# Altium PCB LightLink_V3.PcbDoc (part 1 of 4) (continued)
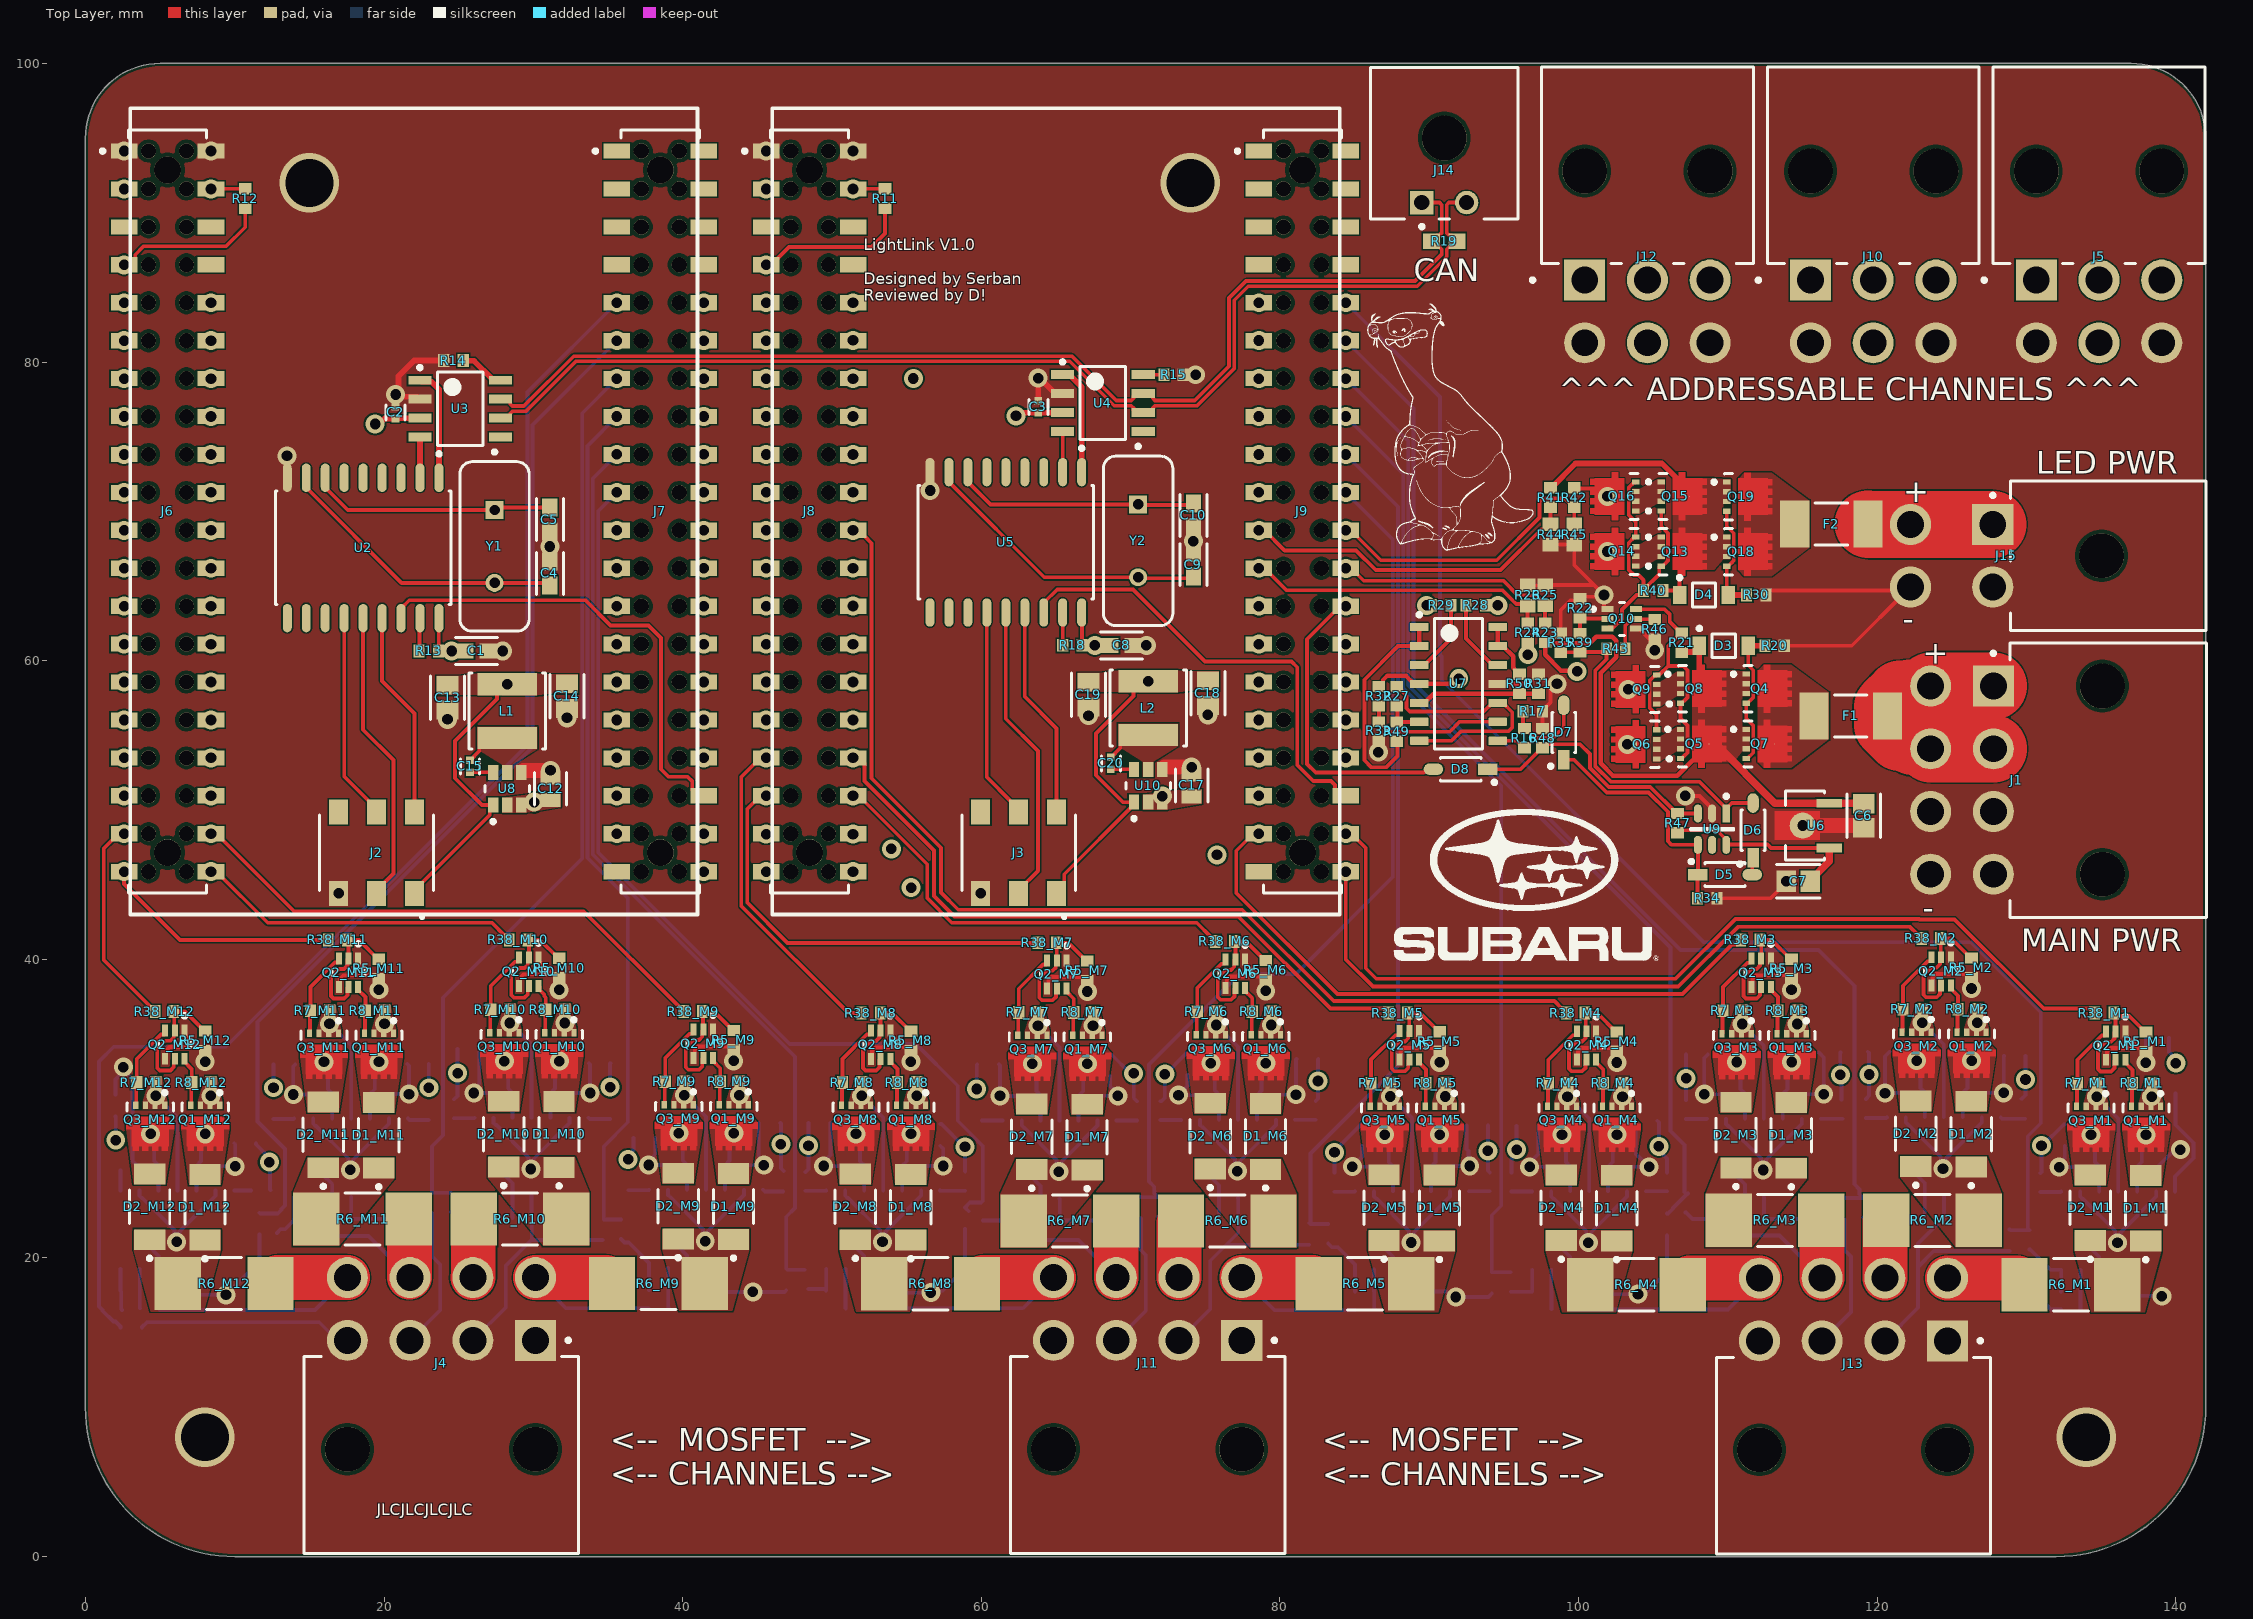
[diagram p0: Top Layer view]
## Components (designator, comment, footprint, x,y, rotation, side; value= is the part's Value field where it differs from the comment) (continued)
Q14 "SISH615ADN-T1-GE3" SISH615ADN-T1-GE3-Footprint-1 102.43,67.275 r90 top
Q15 "SISH615ADN-T1-GE3" SISH615ADN-T1-GE3-Footprint-1 106.93,71.038 r270 top
Q16 "SISH615ADN-T1-GE3" SISH615ADN-T1-GE3-Footprint-1 102.43,70.962 r90 top
Q18 "SISH615ADN-T1-GE3" SISH615ADN-T1-GE3-Footprint-1 111.325,67.338 r270 top
Q19 "SISH615ADN-T1-GE3" SISH615ADN-T1-GE3-Footprint-1 111.325,71.025 r270 top
R1_M1 "RC0603FR-071ML" RESC1608X55X25LL10T15 132.965,17.741 r180 bottom (schematic designator R1)
R1_M2 "RC0603FR-071ML" RESC1608X55X25LL10T15 121.281,22.703 r180 bottom (schematic designator R1)
R1_M3 "RC0603FR-071ML" RESC1608X55X25LL10T15 109.229,22.614 r180 bottom (schematic designator R1)
R1_M4 "RC0603FR-071ML" RESC1608X55X25LL10T15 97.532,17.75 r180 bottom (schematic designator R1)
R1_M5 "RC0603FR-071ML" RESC1608X55X25LL10T15 85.663,17.755 r180 bottom (schematic designator R1)
R1_M6 "RC0603FR-071ML" RESC1608X55X25LL10T15 74.018,22.543 r180 bottom (schematic designator R1)
R1_M7 "RC0603FR-071ML" RESC1608X55X25LL10T15 62.067,22.5 r180 bottom (schematic designator R1)
R1_M8 "RC0603FR-071ML" RESC1608X55X25LL10T15 50.256,17.801 r180 bottom (schematic designator R1)
R1_M9 "RC0603FR-071ML" RESC1608X55X25LL10T15 38.386,17.854 r180 bottom (schematic designator R1)
R1_M10 "RC0603FR-071ML" RESC1608X55X25LL10T15 26.702,22.68 r180 bottom (schematic designator R1)
R1_M11 "RC0603FR-071ML" RESC1608X55X25LL10T15 14.624,22.621 r180 bottom (schematic designator R1)
R1_M12 "RC0603FR-071ML" RESC1608X55X25LL10T15 2.991,17.805 r180 bottom (schematic designator R1)
R2_M1 "ERJ3EKF1002V" RESC1609X55X30LL15T15 132.965,16.547 r180 bottom (schematic designator R2)
R2_M2 "ERJ3EKF1002V" RESC1609X55X30LL15T15 121.281,21.627 r180 bottom (schematic designator R2)
R2_M3 "ERJ3EKF1002V" RESC1609X55X30LL15T15 110.486,21.5 r0 bottom (schematic designator R2)
R2_M4 "ERJ3EKF1002V" RESC1609X55X30LL15T15 98.802,16.547 r0 bottom (schematic designator R2)
R2_M5 "ERJ3EKF1002V" RESC1609X55X30LL15T15 85.689,16.5 r180 bottom (schematic designator R2)
R2_M6 "ERJ3EKF1002V" RESC1609X55X30LL15T15 73.933,21.336 r180 bottom (schematic designator R2)
R2_M7 "ERJ3EKF1002V" RESC1609X55X30LL15T15 63.392,21.209 r0 bottom (schematic designator R2)
R2_M8 "ERJ3EKF1002V" RESC1609X55X30LL15T15 51.526,16.627 r0 bottom (schematic designator R2)
R2_M9 "ERJ3EKF1002V" RESC1609X55X30LL15T15 38.373,16.637 r180 bottom (schematic designator R2)
R2_M10 "ERJ3EKF1002V" RESC1609X55X30LL15T15 26.689,21.336 r180 bottom (schematic designator R2)
R2_M11 "ERJ3EKF1002V" RESC1609X55X30LL15T15 15.894,21.463 r0 bottom (schematic designator R2)
R2_M12 "ERJ3EKF1002V" RESC1609X55X30LL15T15 4.337,16.51 r0 bottom (schematic designator R2)
R3_M1 "ERJ3EKF1002V" RESC1609X55X30LL15T15 134.565,21.018 r0 bottom (schematic designator R3)
R3_M2 "ERJ3EKF1002V" RESC1609X55X30LL15T15 122.881,25.979 r0 bottom (schematic designator R3)
R3_M3 "ERJ3EKF1002V" RESC1609X55X30LL15T15 110.83,25.891 r0 bottom (schematic designator R3)
R3_M4 "ERJ3EKF1002V" RESC1609X55X30LL15T15 99.132,21.026 r0 bottom (schematic designator R3)
R3_M5 "ERJ3EKF1002V" RESC1609X55X30LL15T15 87.264,21.032 r0 bottom (schematic designator R3)
R3_M6 "ERJ3EKF1002V" RESC1609X55X30LL15T15 75.618,25.819 r0 bottom (schematic designator R3)
R3_M7 "ERJ3EKF1002V" RESC1609X55X30LL15T15 63.667,25.776 r0 bottom (schematic designator R3)
R3_M8 "ERJ3EKF1002V" RESC1609X55X30LL15T15 51.856,21.077 r0 bottom (schematic designator R3)
R3_M9 "ERJ3EKF1002V" RESC1609X55X30LL15T15 39.986,21.13 r0 bottom (schematic designator R3)
R3_M10 "ERJ3EKF1002V" RESC1609X55X30LL15T15 28.302,25.956 r0 bottom (schematic designator R3)
R3_M11 "ERJ3EKF1002V" RESC1609X55X30LL15T15 16.224,25.898 r0 bottom (schematic designator R3)
R3_M12 "ERJ3EKF1002V" RESC1609X55X30LL15T15 4.591,21.082 r0 bottom (schematic designator R3)
R4_M1 "RC0603FR-071ML" RESC1608X55X25LL10T15 135.505,17.741 r180 bottom (schematic designator R4)
R4_M2 "RC0603FR-071ML" RESC1608X55X25LL10T15 123.821,22.703 r180 bottom (schematic designator R4)
R4_M3 "RC0603FR-071ML" RESC1608X55X25LL10T15 111.769,22.614 r180 bottom (schematic designator R4)
R4_M4 "RC0603FR-071ML" RESC1608X55X25LL10T15 100.072,17.75 r180 bottom (schematic designator R4)
R4_M5 "RC0603FR-071ML" RESC1608X55X25LL10T15 88.203,17.755 r180 bottom (schematic designator R4)
R4_M6 "RC0603FR-071ML" RESC1608X55X25LL10T15 76.558,22.543 r180 bottom (schematic designator R4)
R4_M7 "RC0603FR-071ML" RESC1608X55X25LL10T15 64.607,22.5 r180 bottom (schematic designator R4)
R4_M8 "RC0603FR-071ML" RESC1608X55X25LL10T15 52.796,17.801 r180 bottom (schematic designator R4)
R4_M9 "RC0603FR-071ML" RESC1608X55X25LL10T15 40.926,17.854 r180 bottom (schematic designator R4)
R4_M10 "RC0603FR-071ML" RESC1608X55X25LL10T15 29.242,22.68 r180 bottom (schematic designator R4)
R4_M11 "RC0603FR-071ML" RESC1608X55X25LL10T15 17.164,22.621 r180 bottom (schematic designator R4)
R4_M12 "RC0603FR-071ML" RESC1608X55X25LL10T15 5.531,17.805 r180 bottom (schematic designator R4)
R5_M1 "ERJ3EKF1002V" RESC1609X55X30LL15T15 137.994,34.48 r90 top (schematic designator R5)
R5_M2 "ERJ3EKF1002V" RESC1609X55X30LL15T15 126.31,39.441 r90 top (schematic designator R5)
R5_M3 "ERJ3EKF1002V" RESC1609X55X30LL15T15 114.259,39.353 r90 top (schematic designator R5)
R5_M4 "ERJ3EKF1002V" RESC1609X55X30LL15T15 102.561,34.488 r90 top (schematic designator R5)
R5_M5 "ERJ3EKF1002V" RESC1609X55X30LL15T15 90.693,34.494 r90 top (schematic designator R5)
R5_M6 "ERJ3EKF1002V" RESC1609X55X30LL15T15 79.047,39.281 r90 top (schematic designator R5)
R5_M7 "ERJ3EKF1002V" RESC1609X55X30LL15T15 67.096,39.238 r90 top (schematic designator R5)
R5_M8 "ERJ3EKF1002V" RESC1609X55X30LL15T15 55.285,34.539 r90 top (schematic designator R5)
R5_M9 "ERJ3EKF1002V" RESC1609X55X30LL15T15 43.415,34.592 r90 top (schematic designator R5)
R5_M10 "ERJ3EKF1002V" RESC1609X55X30LL15T15 31.731,39.418 r90 top (schematic designator R5)
R5_M11 "ERJ3EKF1002V" RESC1609X55X30LL15T15 19.653,39.36 r90 top (schematic designator R5)
R5_M12 "ERJ3EKF1002V" RESC1609X55X30LL15T15 8.02,34.544 r90 top (schematic designator R5)
R6_M1 "MCS3264R010FER" FP-MCS3264-MFG 132.965,18.198 r180 top (schematic designator R6)
R6_M2 "MCS3264R010FER" FP-MCS3264-MFG 123.694,22.516 r180 top (schematic designator R6)
R6_M3 "MCS3264R010FER" FP-MCS3264-MFG 113.153,22.516 r0 top (schematic designator R6)
R6_M4 "MCS3264R010FER" FP-MCS3264-MFG 103.882,18.198 r0 top (schematic designator R6)
R6_M5 "MCS3264R010FER" FP-MCS3264-MFG 85.689,18.278 r180 top (schematic designator R6)
R6_M6 "MCS3264R010FER" FP-MCS3264-MFG 76.473,22.479 r180 top (schematic designator R6)
R6_M7 "MCS3264R010FER" FP-MCS3264-MFG 65.932,22.479 r0 top (schematic designator R6)
R6_M8 "MCS3264R010FER" FP-MCS3264-MFG 56.606,18.278 r0 top (schematic designator R6)
R6_M9 "MCS3264R010FER" FP-MCS3264-MFG 38.373,18.288 r180 top (schematic designator R6)
R6_M10 "MCS3264R010FER" FP-MCS3264-MFG 29.102,22.606 r180 top (schematic designator R6)
R6_M11 "MCS3264R010FER" FP-MCS3264-MFG 18.561,22.606 r0 top (schematic designator R6)
R6_M12 "MCS3264R010FER" FP-MCS3264-MFG 9.29,18.288 r0 top (schematic designator R6)
R7_M1 "ERJ3EKF1002V" RESC1609X55X30LL15T15 134.057,31.686 r0 top (schematic designator R7)
R7_M2 "ERJ3EKF1002V" RESC1609X55X30LL15T15 122.373,36.647 r0 top (schematic designator R7)
R7_M3 "ERJ3EKF1002V" RESC1609X55X30LL15T15 110.322,36.559 r0 top (schematic designator R7)
R7_M4 "ERJ3EKF1002V" RESC1609X55X30LL15T15 98.624,31.694 r0 top (schematic designator R7)
R7_M5 "ERJ3EKF1002V" RESC1609X55X30LL15T15 86.756,31.7 r0 top (schematic designator R7)
R7_M6 "ERJ3EKF1002V" RESC1609X55X30LL15T15 75.11,36.487 r0 top (schematic designator R7)
R7_M7 "ERJ3EKF1002V" RESC1609X55X30LL15T15 63.159,36.444 r0 top (schematic designator R7)
R7_M8 "ERJ3EKF1002V" RESC1609X55X30LL15T15 51.348,31.745 r0 top (schematic designator R7)
R7_M9 "ERJ3EKF1002V" RESC1609X55X30LL15T15 39.478,31.798 r0 top (schematic designator R7)
R7_M10 "ERJ3EKF1002V" RESC1609X55X30LL15T15 27.794,36.624 r0 top (schematic designator R7)
R7_M11 "ERJ3EKF1002V" RESC1609X55X30LL15T15 15.716,36.566 r0 top (schematic designator R7)
R7_M12 "ERJ3EKF1002V" RESC1609X55X30LL15T15 4.083,31.75 r0 top (schematic designator R7)
R8_M1 "ERJ3EKF1002V" RESC1609X55X30LL15T15 137.74,31.686 r0 top (schematic designator R8)
R8_M2 "ERJ3EKF1002V" RESC1609X55X30LL15T15 126.056,36.647 r0 top (schematic designator R8)
R8_M3 "ERJ3EKF1002V" RESC1609X55X30LL15T15 114.005,36.559 r0 top (schematic designator R8)
R8_M4 "ERJ3EKF1002V" RESC1609X55X30LL15T15 102.307,31.694 r0 top (schematic designator R8)
R8_M5 "ERJ3EKF1002V" RESC1609X55X30LL15T15 90.439,31.7 r0 top (schematic designator R8)
R8_M6 "ERJ3EKF1002V" RESC1609X55X30LL15T15 78.793,36.487 r0 top (schematic designator R8)
R8_M7 "ERJ3EKF1002V" RESC1609X55X30LL15T15 66.842,36.444 r0 top (schematic designator R8)
R8_M8 "ERJ3EKF1002V" RESC1609X55X30LL15T15 55.031,31.745 r0 top (schematic designator R8)
R8_M9 "ERJ3EKF1002V" RESC1609X55X30LL15T15 43.161,31.798 r0 top (schematic designator R8)
R8_M10 "ERJ3EKF1002V" RESC1609X55X30LL15T15 31.477,36.624 r0 top (schematic designator R8)
R8_M11 "ERJ3EKF1002V" RESC1609X55X30LL15T15 19.399,36.566 r0 top (schematic designator R8)
R8_M12 "ERJ3EKF1002V" RESC1609X55X30LL15T15 7.766,31.75 r0 top (schematic designator R8)
R9_M1 "ERJ3EKF1002V" RESC1609X55X30LL15T15 130.933,25.066 r270 bottom (schematic designator R9)
R9_M2 "ERJ3EKF1002V" RESC1609X55X30LL15T15 119.249,30.028 r270 bottom (schematic designator R9)
R9_M3 "ERJ3EKF1002V" RESC1609X55X30LL15T15 107.197,29.939 r270 bottom (schematic designator R9)
R9_M4 "ERJ3EKF1002V" RESC1609X55X30LL15T15 95.5,25.075 r270 bottom (schematic designator R9)
R9_M5 "ERJ3EKF1002V" RESC1609X55X30LL15T15 83.631,25.081 r270 bottom (schematic designator R9)
R9_M6 "ERJ3EKF1002V" RESC1609X55X30LL15T15 71.986,29.868 r270 bottom (schematic designator R9)
R9_M7 "ERJ3EKF1002V" RESC1609X55X30LL15T15 59.69,29.82 r270 bottom (schematic designator R9)
R9_M8 "ERJ3EKF1002V" RESC1609X55X30LL15T15 48.224,25.126 r270 bottom (schematic designator R9)
R9_M9 "ERJ3EKF1002V" RESC1609X55X30LL15T15 36.354,25.179 r270 bottom (schematic designator R9)
R9_M10 "ERJ3EKF1002V" RESC1609X55X30LL15T15 24.67,30.005 r270 bottom (schematic designator R9)
R9_M11 "ERJ3EKF1002V" RESC1609X55X30LL15T15 12.592,29.947 r270 bottom (schematic designator R9)
R9_M12 "ERJ3EKF1002V" RESC1609X55X30LL15T15 2.35,26.5 r270 bottom (schematic designator R9)
R10_M1 "ERJ3EKF3901V" RESC1608X55X30ML15T15 132.563,28.219 r90 bottom (schematic designator R10)
R10_M2 "ERJ3EKF3901V" RESC1608X55X30ML15T15 120.091,33.807 r180 bottom (schematic designator R10)
R10_M3 "ERJ3EKF3901V" RESC1608X55X30ML15T15 107.925,33.63 r180 bottom (schematic designator R10)
R10_M4 "ERJ3EKF3901V" RESC1608X55X30ML15T15 96.571,28.854 r180 bottom (schematic designator R10)
R10_M5 "ERJ3EKF3901V" RESC1608X55X30ML15T15 85.496,28.219 r90 bottom (schematic designator R10)
R10_M6 "ERJ3EKF3901V" RESC1608X55X30ML15T15 73.812,32.995 r90 bottom (schematic designator R10)
R10_M7 "ERJ3EKF3901V" RESC1608X55X30ML15T15 60.452,32.969 r180 bottom (schematic designator R10)
R10_M8 "ERJ3EKF3901V" RESC1608X55X30ML15T15 49.174,29.058 r180 bottom (schematic designator R10)
R10_M9 "ERJ3EKF3901V" RESC1608X55X30ML15T15 37.44,28.042 r180 bottom (schematic designator R10)
R10_M10 "ERJ3EKF3901V" RESC1608X55X30ML15T15 25.654,33.985 r180 bottom (schematic designator R10)
R10_M11 "ERJ3EKF3901V" RESC1608X55X30ML15T15 13.335,32.969 r180 bottom (schematic designator R10)
R10_M12 "ERJ3EKF3901V" RESC1608X55X30ML15T15 2.007,30.201 r270 bottom (schematic designator R10)
R11 "ERJ3EKF1002V" RESC1609X55X30LL15T15 53.55,90.95 r90 top
R12 "ERJ3EKF1002V" RESC1609X55X30LL15T15 10.7,90.95 r90 top
R13 "ERJ3EKF1002V" RESC1609X55X30LL15T15 23,60.65 r180 top
R14 "ERJ3EKF1002V" RESC1609X55X30LL15T15 24.65,80.1 r0 top
R15 "ERJ3EKF1002V" RESC1609X55X30LL15T15 72.875,79.15 r180 top
R16 "ERJ3EKF1002V" RESC1609X55X30LL15T15 96.372,54.813 r270 top
R17 "ERJ3EKF1002V" RESC1609X55X30LL15T15 96.931,56.616 r180 top
R18 "ERJ3EKF1002V" RESC1609X55X30LL15T15 66.1,61.025 r180 top
R19 "ERJ-3EKF1200V" RESC1609X55X30ML15T15 91,88.1 r180 top
R20 "ERJ3EKF1002V" RESC1609X55X30LL15T15 113.125,61 r0 top
R21 "ERJ3EKF1002V" RESC1609X55X30LL15T15 106.9,61.2 r90 top
R22 "ERJ3EKF1002V" RESC1609X55X30LL15T15 100.1,63.5 r90 top
R23 "ERJ3EKF1002V" RESC1609X55X30LL15T15 97.759,61.87 r90 top
R24 "ERJ3EKF1002V" RESC1609X55X30LL15T15 96.584,61.867 r90 top
R25 "CRCW06032K70JNEA" RESC1609X50X30ML10T20 97.759,64.37 r270 top
R26 "CRCW06032K70JNEA" RESC1609X50X30ML10T20 96.584,64.367 r270 top
R27 "ERJ3EKF1002V" RESC1609X55X30LL15T15 87.819,57.611 r90 top
R28 "ERJ3EKF1002V" RESC1609X55X30LL15T15 93.112,63.703 r180 top
R29 "ERJ3EKF1002V" RESC1609X55X30LL15T15 90.801,63.703 r0 top
R30 "ERJ3EKF1002V" RESC1609X55X30LL15T15 111.9,64.4 r0 top
R31 "ERJ3EKF1002V" RESC1609X55X30LL15T15 97.312,58.445 r90 top
R32 "ERJ3EKF1002V" RESC1609X55X30LL15T15 86.625,57.611 r90 top
R33 "ERJ-3EKF1001V" RESC1608X55X30LL15T15 86.625,55.3 r90 top
R34 "ERJ3EKF1002V" RESC1609X55X30LL15T15 108.61,44.094 r0 top
R35 "ERJ3EKF1002V" RESC1609X55X30LL15T15 98.8,61.2 r90 top
R36_M1 "ERJ-3EKF1003V" RESC1608X55X30ML15T15 134.184,26.098 r0 bottom (schematic designator R36)
R36_M2 "ERJ-3EKF1003V" RESC1608X55X30ML15T15 122.5,31.059 r0 bottom (schematic designator R36)
R36_M3 "ERJ-3EKF1003V" RESC1608X55X30ML15T15 110.449,30.971 r0 bottom (schematic designator R36)
R36_M4 "ERJ-3EKF1003V" RESC1608X55X30ML15T15 98.751,26.106 r0 bottom (schematic designator R36)
R36_M5 "ERJ-3EKF1003V" RESC1608X55X30ML15T15 86.883,26.112 r0 bottom (schematic designator R36)
R36_M6 "ERJ-3EKF1003V" RESC1608X55X30ML15T15 75.237,30.899 r0 bottom (schematic designator R36)
R36_M7 "ERJ-3EKF1003V" RESC1608X55X30ML15T15 63.286,30.856 r0 bottom (schematic designator R36)
R36_M8 "ERJ-3EKF1003V" RESC1608X55X30ML15T15 51.475,26.157 r0 bottom (schematic designator R36)
R36_M9 "ERJ-3EKF1003V" RESC1608X55X30ML15T15 39.605,26.21 r0 bottom (schematic designator R36)
R36_M10 "ERJ-3EKF1003V" RESC1608X55X30ML15T15 27.921,31.036 r0 bottom (schematic designator R36)
R36_M11 "ERJ-3EKF1003V" RESC1608X55X30ML15T15 15.843,30.978 r0 bottom (schematic designator R36)
R36_M12 "ERJ-3EKF1003V" RESC1608X55X30ML15T15 4.21,26.162 r0 bottom (schematic designator R36)
R37_M1 "ERJ-3EKF1003V" RESC1608X55X30ML15T15 138.121,26.098 r180 bottom (schematic designator R37)
R37_M2 "ERJ-3EKF1003V" RESC1608X55X30ML15T15 126.437,31.059 r180 bottom (schematic designator R37)
R37_M3 "ERJ-3EKF1003V" RESC1608X55X30ML15T15 114.386,30.971 r180 bottom (schematic designator R37)
R37_M4 "ERJ-3EKF1003V" RESC1608X55X30ML15T15 102.688,26.106 r180 bottom (schematic designator R37)
R37_M5 "ERJ-3EKF1003V" RESC1608X55X30ML15T15 90.82,26.112 r180 bottom (schematic designator R37)
R37_M6 "ERJ-3EKF1003V" RESC1608X55X30ML15T15 79.174,30.899 r180 bottom (schematic designator R37)
R37_M7 "ERJ-3EKF1003V" RESC1608X55X30ML15T15 67.223,30.856 r180 bottom (schematic designator R37)
R37_M8 "ERJ-3EKF1003V" RESC1608X55X30ML15T15 55.412,26.157 r180 bottom (schematic designator R37)
R37_M9 "ERJ-3EKF1003V" RESC1608X55X30ML15T15 43.542,26.21 r180 bottom (schematic designator R37)
R37_M10 "ERJ-3EKF1003V" RESC1608X55X30ML15T15 31.858,31.036 r180 bottom (schematic designator R37)
R37_M11 "ERJ-3EKF1003V" RESC1608X55X30ML15T15 19.78,30.978 r180 bottom (schematic designator R37)
R37_M12 "ERJ-3EKF1003V" RESC1608X55X30ML15T15 8.147,26.162 r180 bottom (schematic designator R37)
R38_M1 "ERJ-3EKF1001V" RESC1608X55X30LL15T15 135.2,36.4 r0 top (schematic designator R38)
R38_M2 "ERJ-3EKF1001V" RESC1608X55X30LL15T15 123.6,41.4 r0 top (schematic designator R38)
R38_M3 "ERJ-3EKF1001V" RESC1608X55X30LL15T15 111.5,41.3 r0 top (schematic designator R38)
R38_M4 "ERJ-3EKF1001V" RESC1608X55X30LL15T15 99.8,36.4 r0 top (schematic designator R38)
R38_M5 "ERJ-3EKF1001V" RESC1608X55X30LL15T15 87.9,36.4 r0 top (schematic designator R38)
R38_M6 "ERJ-3EKF1001V" RESC1608X55X30LL15T15 76.3,41.2 r0 top (schematic designator R38)
R38_M7 "ERJ-3EKF1001V" RESC1608X55X30LL15T15 64.4,41.1 r0 top (schematic designator R38)
R38_M8 "ERJ-3EKF1001V" RESC1608X55X30LL15T15 52.6,36.4 r0 top (schematic designator R38)
R38_M9 "ERJ-3EKF1001V" RESC1608X55X30LL15T15 40.7,36.5 r0 top (schematic designator R38)
R38_M10 "ERJ-3EKF1001V" RESC1608X55X30LL15T15 29,41.3 r0 top (schematic designator R38)
R38_M11 "ERJ-3EKF1001V" RESC1608X55X30LL15T15 16.9,41.3 r0 top (schematic designator R38)
R38_M12 "ERJ-3EKF1001V" RESC1608X55X30LL15T15 5.3,36.5 r0 top (schematic designator R38)
R39 "ERJ-3EKF1001V" RESC1608X55X30LL15T15 100.1,61.2 r90 top
R40 "ERJ3EKF1002V" RESC1609X55X30LL15T15 105,64.7 r180 top
R41 "ERJ3EKF1002V" RESC1609X55X30LL15T15 98.114,70.925 r270 top
R42 "ERJ3EKF1002V" RESC1609X55X30LL15T15 99.714,70.925 r270 top
R43 "ERJ-3EKF1001V" RESC1608X55X30LL15T15 102.5,60.8 r0 top
R44 "CRCW06032K70JNEA" RESC1609X50X30ML10T20 98.114,68.45 r90 top
R45 "CRCW06032K70JNEA" RESC1609X50X30ML10T20 99.714,68.45 r90 top
R46 "ERJ3EKF1002V" RESC1609X55X30LL15T15 105.1,62.1 r270 top
R47 "ERJ3EKF1002V" RESC1609X55X30LL15T15 106.629,49.124 r90 top
R48 "ERJ3EKF1002V" RESC1609X55X30LL15T15 97.587,54.813 r270 top
R49 "ERJ3EKF1002V" RESC1609X55X30LL15T15 87.819,55.249 r90 top
R50 "ERJ3EKF1002V" RESC1609X55X30LL15T15 96.042,58.445 r270 top
R51_M1 "ERJ3EKF1002V" RESC1609X55X30LL15T15 140.005,31.547 r270 bottom (schematic designator R51)
R51_M2 "ERJ3EKF1002V" RESC1609X55X30LL15T15 129.896,29.972 r270 bottom (schematic designator R51)
R51_M3 "ERJ3EKF1002V" RESC1609X55X30LL15T15 117.678,29.972 r270 bottom (schematic designator R51)
R51_M4 "ERJ3EKF1002V" RESC1609X55X30LL15T15 106.02,25.197 r270 bottom (schematic designator R51)
R51_M5 "ERJ3EKF1002V" RESC1609X55X30LL15T15 94.031,25.019 r270 bottom (schematic designator R51)
R51_M6 "ERJ3EKF1002V" RESC1609X55X30LL15T15 82.525,29.845 r270 bottom (schematic designator R51)
R51_M7 "ERJ3EKF1002V" RESC1609X55X30LL15T15 70.434,29.845 r270 bottom (schematic designator R51)
R51_M8 "ERJ3EKF1002V" RESC1609X55X30LL15T15 58.928,25.146 r270 bottom (schematic designator R51)
R51_M9 "ERJ3EKF1002V" RESC1609X55X30LL15T15 46.736,25.095 r270 bottom (schematic designator R51)
R51_M10 "ERJ3EKF1002V" RESC1609X55X30LL15T15 35.154,29.947 r270 bottom (schematic designator R51)
R51_M11 "ERJ3EKF1002V" RESC1609X55X30LL15T15 22.987,29.896 r270 bottom (schematic designator R51)
R51_M12 "ERJ3EKF1002V" RESC1609X55X30LL15T15 11.76,24.536 r180 bottom (schematic designator R51)
R52_M1 "ERJ3EKF3901V" RESC1608X55X30ML15T15 138.811,34.722 r0 bottom (schematic designator R52)
R52_M2 "ERJ3EKF3901V" RESC1608X55X30ML15T15 129.21,33.528 r0 bottom (schematic designator R52)
R52_M3 "ERJ3EKF3901V" RESC1608X55X30ML15T15 116.815,33.757 r0 bottom (schematic designator R52)
R52_M4 "ERJ3EKF3901V" RESC1608X55X30ML15T15 104.546,29.185 r0 bottom (schematic designator R52)
R52_M5 "ERJ3EKF3901V" RESC1608X55X30ML15T15 93.218,28.88 r0 bottom (schematic designator R52)
R52_M6 "ERJ3EKF3901V" RESC1608X55X30ML15T15 81.839,33.325 r0 bottom (schematic designator R52)
R52_M7 "ERJ3EKF3901V" RESC1608X55X30ML15T15 68.631,32.918 r90 bottom (schematic designator R52)
R52_M8 "ERJ3EKF3901V" RESC1608X55X30ML15T15 57.252,28.245 r90 bottom (schematic designator R52)
R52_M9 "ERJ3EKF3901V" RESC1608X55X30ML15T15 45.822,29.032 r0 bottom (schematic designator R52)
R52_M10 "ERJ3EKF3901V" RESC1608X55X30ML15T15 34.442,33.045 r0 bottom (schematic designator R52)
R52_M11 "ERJ3EKF3901V" RESC1608X55X30ML15T15 22.276,32.995 r0 bottom (schematic designator R52)
R52_M12 "ERJ3EKF3901V" RESC1608X55X30ML15T15 10.693,27.686 r0 bottom (schematic designator R52)
R53_M1 "ERJ3EKF1002V" RESC1609X55X30LL15T15 130.2,21.209 r270 bottom (schematic designator R53)
R53_M2 "ERJ3EKF1002V" RESC1609X55X30LL15T15 119.075,23.368 r270 bottom (schematic designator R53)
R53_M3 "ERJ3EKF1002V" RESC1609X55X30LL15T15 107.34,23.673 r270 bottom (schematic designator R53)
R53_M4 "ERJ3EKF1002V" RESC1609X55X30LL15T15 95.453,18.39 r270 bottom (schematic designator R53)
R53_M5 "ERJ3EKF1002V" RESC1609X55X30LL15T15 83.236,21.615 r270 bottom (schematic designator R53)
R53_M6 "ERJ3EKF1002V" RESC1609X55X30LL15T15 71.857,23.419 r270 bottom (schematic designator R53)
R53_M7 "ERJ3EKF1002V" RESC1609X55X30LL15T15 60.096,23.165 r270 bottom (schematic designator R53)
R53_M8 "ERJ3EKF1002V" RESC1609X55X30LL15T15 48.158,18.567 r270 bottom (schematic designator R53)
R53_M9 "ERJ3EKF1002V" RESC1609X55X30LL15T15 35.865,21.925 r270 bottom (schematic designator R53)
R53_M10 "ERJ3EKF1002V" RESC1609X55X30LL15T15 24.486,23.724 r270 bottom (schematic designator R53)
R53_M11 "ERJ3EKF1002V" RESC1609X55X30LL15T15 12.827,22.327 r270 bottom (schematic designator R53)
R53_M12 "ERJ3EKF1002V" RESC1609X55X30LL15T15 1.803,16.51 r0 bottom (schematic designator R53)
R54_M1 "ERJ3EKF3901V" RESC1608X55X30ML15T15 128.854,21.184 r90 bottom (schematic designator R54)
R54_M2 "ERJ3EKF3901V" RESC1608X55X30ML15T15 117.831,23.317 r90 bottom (schematic designator R54)
R54_M3 "ERJ3EKF3901V" RESC1608X55X30ML15T15 105.918,22.25 r90 bottom (schematic designator R54)
R54_M4 "ERJ3EKF3901V" RESC1608X55X30ML15T15 94.183,18.339 r90 bottom (schematic designator R54)
R54_M5 "ERJ3EKF3901V" RESC1608X55X30ML15T15 81.966,21.615 r90 bottom (schematic designator R54)
R54_M6 "ERJ3EKF3901V" RESC1608X55X30ML15T15 70.688,23.368 r90 bottom (schematic designator R54)
R54_M7 "ERJ3EKF3901V" RESC1608X55X30ML15T15 58.903,22.657 r90 bottom (schematic designator R54)
R54_M8 "ERJ3EKF3901V" RESC1608X55X30ML15T15 46.939,18.567 r90 bottom (schematic designator R54)
R54_M9 "ERJ3EKF3901V" RESC1608X55X30ML15T15 34.646,21.925 r90 bottom (schematic designator R54)
R54_M10 "ERJ3EKF3901V" RESC1608X55X30ML15T15 23.216,23.698 r90 bottom (schematic designator R54)
R54_M11 "ERJ3EKF3901V" RESC1608X55X30ML15T15 11.659,22.301 r90 bottom (schematic designator R54)
R54_M12 "ERJ3EKF3901V" RESC1608X55X30ML15T15 3.073,15.342 r180 bottom (schematic designator R54)
U1_M1 "LM324D" D0014A_L 136.14,21.83 r270 bottom (schematic designator U1)
U1_M2 "LM324D" D0014A_L 124.456,26.792 r270 bottom (schematic designator U1)
U1_M3 "LM324D" D0014A_L 112.404,26.703 r270 bottom (schematic designator U1)
U1_M4 "LM324D" D0014A_L 100.707,21.839 r270 bottom (schematic designator U1)
U1_M5 "LM324D" D0014A_L 88.838,21.845 r270 bottom (schematic designator U1)
U1_M6 "LM324D" D0014A_L 77.193,26.632 r270 bottom (schematic designator U1)
U1_M7 "LM324D" D0014A_L 65.242,26.589 r270 bottom (schematic designator U1)
U1_M8 "LM324D" D0014A_L 53.431,21.89 r270 bottom (schematic designator U1)
U1_M9 "LM324D" D0014A_L 41.561,21.943 r270 bottom (schematic designator U1)
U1_M10 "LM324D" D0014A_L 29.877,26.769 r270 bottom (schematic designator U1)
U1_M11 "LM324D" D0014A_L 17.799,26.711 r270 bottom (schematic designator U1)
U1_M12 "LM324D" D0014A_L 6.166,21.895 r270 bottom (schematic designator U1)
U2 "MCP2515-I/SO" FP-C04-051-MFG 18.6,67.55 r270 top
U3 "MCP2551-I/SN" MCHP-SN8_V 25.1,76.875 r0 top
U4 "MCP2551-I/SN" MCHP-SN8_V 68.14,77.25 r0 top
U5 "MCP2515-I/SO" FP-C04-051-MFG 61.64,67.925 r270 top
U6 "AP7381-50Y-13" FP-SOT89-MFG 115.156,48.959 r90 top
U7 "LM324D" D0014A_L 91.955,58.445 r0 top
U8 "AP63205WU-7" FP-TSOT26-MFG 28.25,51.425 r90 top
U9 "TLV1805DBVR" FP-DBV0006A-IPC_C 108.941,48.717 r270 top
U10 "AP63205WU-7" FP-TSOT26-MFG 71.175,51.625 r90 top
Y1 "FOXSLF/160-20" FOX-FOXSLF160-20 27.4,67.65 r270 top
Y2 "FOXSLF/160-20" FOX-FOXSLF160-20 70.5,68.025 r270 top

## Footprints (in the part's own frame and the unit in brackets; to place one, negate y for a bottom-side part, rotate by r counter-clockwise, add the part's x,y. Pads: shape width x height; smd on the part's side, far side on the other; paste and mask are expansions set on the pad)
D0014A_L [mm] "SOIC, 14-Leads, Body 8.75x4mm, Pitch 1.27mm, IPC High Density"
  rrect18% 1.25x0.55 smd: 1(-2.625,3.81) 2(-2.625,2.54) 3(-2.625,1.27) 4(-2.625,0) 5(-2.625,-1.27) 6(-2.625,-2.54) 7(-2.625,-3.81) 8(2.625,-3.81) 9(2.625,-2.54) 10(2.625,-1.27) 11(2.625,0) 12(2.625,1.27) 13(2.625,2.54) 14(2.625,3.81)
  silkscreen extent -2.75,-4.38 1.6,4.76, body extent -3.02,-4.32 3.02,4.32, height 1.59
FOX-FOXSLF160-20 [mm] "THD, 2-Leads, Body 11.35x4.65mm"
  rect 1.2x1.2 hole 0.7: 1(-2.44,0)
  round 1.2 hole 0.7: 2(2.44,0)
  silkscreen extent -6.45,-2.32 5.68,2.32, body extent -5.67,-2.32 5.68,2.33, height 3.6
FP-39-30-1041-MFG [mil]
  rect 108.4x108.4 hole 71 paste-39370.1 mask+0: 1(82.5,297)
  round 108.4 hole 71 paste-39370.1 mask+0: 2(-82.5,297) 3(82.5,514) 4(-82.5,514)
  round 118 hole 118 unplated paste-39370.1 mask+0: ""(0,10)
  silkscreen extent -198,-265 198,302, body extent -201,-269 201,572, height 10
FP-0679L-MFG [mm]
  rect 1.96x3.15 smd paste+0 mask+0: 1(-2.455,0) 2(2.455,0)
  silkscreen extent -1.1,-1.4 1.1,1.4, body extent -3.53,-1.68 3.53,1.68, height 0.25
FP-0805-L_2_01_0_2-W_1_25-IPC_B [mm]
  rect 1.305x1.456 smd paste+0 mask+0: 1(-0.806,0) 2(0.806,0)
  silkscreen extent -1.46,-1.13 1.46,1.13, body extent -1.71,-0.98 1.71,0.98, height 0.25
FP-43650-0201-MFG [mm]
  rect 1.57x1.57 hole 1.02 paste-1000 mask+0: 1(1.5,3.97)
  round 1.57 hole 1.02 paste-1000 mask+0: 2(-1.5,3.97)
  round 3 hole 3 unplated paste-1000 mask+0: ""(0,-0.35)
  silkscreen extent -4.95,-5.07 4.95,5.7, body extent -5.05,-5.18 5.05,5.18, height 0.25
FP-45586-0005-MFG [mm]
  rect 2.75x2.75 hole 1.8 paste-1000 mask+0: 1(-6.3,-7.5)
  round 2.75 hole 1.8 paste-1000 mask+0: 2(-2.1,-7.5) 3(2.1,-7.5) 4(6.3,-7.5) 5(-6.3,-11.7) 6(-2.1,-11.7) 7(2.1,-11.7) 8(6.3,-11.7)
  round 3 hole 3 unplated paste-1000 mask+0: ""(-6.3,-0.2) ""(6.3,-0.2)
  silkscreen extent -9.19,-7.62 9.19,6.78, body extent -9.29,-13.18 9.29,6.88, height 0.25
FP-455580003-MFG [mm]
  rect 2.75x2.75 hole 1.8 paste-1000 mask+0: 1(-4.2,-7.5)
  round 2.75 hole 1.8 paste-1000 mask+0: 2(0,-7.5) 3(4.2,-7.5) 4(-4.2,-11.7) 5(0,-11.7) 6(4.2,-11.7)
  round 3 hole 3 unplated paste-1000 mask+0: ""(-4.2,-0.2) ""(4.2,-0.2)
  silkscreen extent -7.81,-7.62 7.09,6.78, body extent -7.19,-13.18 7.19,6.88, height 0.25
FP-C04-051-MFG [mm]
  rrect100% 1.9x0.6 smd paste+0 mask+0: 1(-4.7,5.08) 2(-4.7,3.81) 3(-4.7,2.54) 4(-4.7,1.27) 5(-4.7,0) 6(-4.7,-1.27) 7(-4.7,-2.54) 8(-4.7,-3.81) 9(-4.7,-5.08) 10(4.7,-5.08) 11(4.7,-3.81) 12(4.7,-2.54) 13(4.7,-1.27) 14(4.7,0) 15(4.7,1.27) 16(4.7,2.54) 17(4.7,3.81) 18(4.7,5.08)
  silkscreen extent -6.42,-5.87 3.8,5.87, body extent -5.75,-6.12 5.75,6.12, height 0.25
FP-C0402-BB-MFG [mm]
  rect 0.52x0.52 smd paste+0 mask+0: 1(-0.4,0) 2(0.4,0)
  silkscreen extent -0.5,-0.64 0.5,0.64, body extent -0.8,-0.4 0.8,0.4, height 0.25
FP-C0805C-DG-MFG [mm]
  rect 0.95x1.35 smd paste+0 mask+0: 1(-0.75,0) 2(0.75,0)
  silkscreen extent -1.11,-1.08 1.1,1.07, body extent -1.4,-0.85 1.4,0.85, height 0.25
FP-DBV0006A-IPC_C [mm]
  rect 1.205x0.53 smd paste+0 mask+0: 1(-1.05,0.95)
  rrect100% 1.205x0.53 smd paste+0 mask+0: 2(-1.05,0) 3(-1.05,-0.95) 4(1.05,-0.95) 5(1.05,0) 6(1.05,0.95)
  silkscreen extent -2.33,-1.45 0.05,1.45, body extent -1.75,-1.55 1.75,1.55, height 0.25
FP-GRM21B-0_2-e0_2_0_7-IPC_B [mm]
  rect 1.255x1.456 smd paste+0 mask+0: 1(-0.826,0) 2(0.826,0)
  silkscreen extent -1.45,-1.13 1.45,1.13, body extent -1.7,-0.98 1.7,0.98, height 0.25
FP-GRM188-0_1-e0_2_0_55-IPC_A [mm]
  rect 1.208x1.012 smd paste+0 mask+0: 1(-0.802,0) 2(0.802,0)
  silkscreen extent -1.41,-0.91 1.41,0.91, body extent -1.91,-1.01 1.91,1.01, height 0.25
FP-M20-7812045-MFG [mm]
  rect 1.02x1.78 smd paste+0 mask+0: 1(-24.13,-2.91) 2(-24.13,2.91) 3(-21.59,-2.91) 4(-21.59,2.91) 5(-19.05,-2.91) 6(-19.05,2.91) 7(-16.51,-2.91) 8(-16.51,2.91) 9(-13.97,-2.91) 10(-13.97,2.91) 11(-11.43,-2.91) 12(-11.43,2.91) 13(-8.89,-2.91) 14(-8.89,2.91) 15(-6.35,-2.91) 16(-6.35,2.91) 17(-3.81,-2.91) 18(-3.81,2.91) 19(-1.27,-2.91) 20(-1.27,2.91) 21(1.27,-2.91) 22(1.27,2.91) 23(3.81,-2.91) 24(3.81,2.91) 25(6.35,-2.91) 26(6.35,2.91) 27(8.89,-2.91) 28(8.89,2.91) 29(11.43,-2.91) 30(11.43,2.91) 31(13.97,-2.91) 32(13.97,2.91) 33(16.51,-2.91) 34(16.51,2.91) 35(19.05,-2.91) 36(19.05,2.91) 37(21.59,-2.91) 38(21.59,2.91) 39(24.13,-2.91) 40(24.13,2.91)
  round 1.02 hole 1.02 unplated paste-1000 mask+0: ""(-24.13,-1.27) ""(-24.13,1.27) ""(-21.59,-1.27) ""(-21.59,1.27) ""(-19.05,-1.27) ""(-19.05,1.27) ""(-16.51,-1.27) ""(-16.51,1.27) ""(-13.97,-1.27) ""(-13.97,1.27) ""(-11.43,-1.27) ""(-11.43,1.27) ""(-8.89,-1.27) ""(-8.89,1.27) ""(-6.35,-1.27) ""(-6.35,1.27) ""(-3.81,-1.27) ""(-3.81,1.27) ""(-1.27,1.27) ""(-1.27,-1.27) ""(1.27,1.27) ""(1.27,-1.27) ""(3.81,-1.27) ""(3.81,1.27) ""(6.35,-1.27) ""(6.35,1.27) ""(8.89,-1.27) ""(8.89,1.27) ""(11.43,-1.27) ""(11.43,1.27) ""(13.97,-1.27) ""(13.97,1.27) ""(16.51,-1.27) ""(16.51,1.27) ""(19.05,-1.27) ""(19.05,1.27) ""(21.59,-1.27) ""(21.59,1.27) ""(24.13,-1.27) ""(24.13,1.27)
  round 1.8 hole 1.8 unplated paste-1000 mask+0: ""(-22.86,0) ""(22.86,0)
  silkscreen extent -25.55,-4.47 25.55,2.62, body extent -25.65,-3.9 25.65,3.9, height 0.25
FP-MCS3264-MFG [mm]
  rect 3.1x3.57 smd paste+0 mask+0: 1(-3.1,0) 2(3.1,0)
  silkscreen extent -1.17,-1.75 1.17,1.75, body extent -4.75,-1.89 4.75,1.89, height 0.25
FP-NR5040-H_4_1-MFG [mm]
  rect 1.5x4 smd paste+0 mask+0: 1(-1.8,0) 2(1.8,0)
  silkscreen extent -2.55,-2.55 2.55,2.55, body extent -2.65,-2.65 2.65,2.65, height 0.25
FP-SOD128-MFG [mm]
  rect 1.4x2.1 smd paste-1000 mask+0: 1(-2.2,0) 2(2.2,0)
  silkscreen extent -3.57,-1.35 1.12,1.35, body extent -3.1,-1.7 3.1,1.7, height 0.25
FP-SOD-123-IPC_A [mm]
  rect 1.308x0.762 smd paste+0 mask+0: 1(-1.825,0)
  rrect100% 1.308x0.762 smd paste+0 mask+0: 2(1.825,0)
  silkscreen extent -2.39,-0.8 1.35,1.01, body extent -2.98,-1.3 2.98,1.3, height 0.25
FP-SOT89-MFG [mm]
  rect 0.58x1.73 smd paste+0 mask+0: 1(-1.5,-1.635) 3(1.5,-1.635)
  round 1.74 smd paste+0 mask+0: 2(0,0.146)
  Top Layer region: -0.38,-2.5 0.38,-2.5 0.38,-1 0.967,-1 0.967,2.03 -0.967,2.03 -0.967,-1 -0.38,-1 -0.38,-2.5
  silkscreen extent -2.3,-1.3 2.3,1.3, body extent -2.4,-2.6 2.4,2.13, height 0.25
FP-SSOP6-P-0_65A-MFG [mm]
  rect 0.8x0.4 smd paste+0 mask+0: 1(-0.95,0.65) 2(-0.95,0) 3(-0.95,-0.65) 4(0.95,-0.65) 5(0.95,0) 6(0.95,0.65)
  silkscreen extent -2.05,-1.1 0.18,1.1, body extent -1.45,-1.2 1.45,1.2, height 0.25
FP-TSOT26-MFG [mm]
  rect 1x0.7 smd paste+0 mask+0: 1(-1.099,0.95) 2(-1.099,0) 3(-1.099,-0.95) 4(1.099,-0.95) 5(1.099,0) 6(1.099,0.95)
  silkscreen extent -2.32,-1.5 0.22,1.5, body extent -1.7,-1.6 1.7,1.6, height 0.25
MCHP-SN8_V [mm] "SOIC, 8-Leads, Body 4.9x3.9mm, Pitch 1.27mm"
  rect 1.55x0.6 smd: 1(-2.7,1.905) 2(-2.7,0.635) 3(-2.7,-0.635) 4(-2.7,-1.905) 5(2.7,-1.905) 6(2.7,-0.635) 7(2.7,0.635) 8(2.7,1.905)
  silkscreen extent -2.82,-2.45 1.53,2.88, body extent -3,-2.45 3,2.45, height 1.75
ONSC-SOD-123-2-425-04_V [mm] "SOD, 2-Leads, Body 2.69x1.6mm"
  rect 0.91x1.22 smd: 1(-1.635,0) 2(1.635,0)
  silkscreen extent -1.76,-0.8 0.78,1.28, body extent -1.35,-0.8 1.35,0.8, height 1.35
RESC1608X55X25LL10T15 [mm] "Chip Resistor, 2-Leads, Body 1.70x0.90mm, IPC High Density"
  rect 0.6x0.8 smd: 1(-0.65,0) 2(0.65,0)
  body extent -0.85,-0.45 0.85,0.45, height 0.55
RESC1608X55X30LL15T15 [mm] "Chip Resistor, 2-Leads, Body 1.60x0.80mm, IPC High Density"
  rect 0.7x0.85 smd: 1(-0.625,0) 2(0.625,0)
  body extent -0.87,-0.48 0.87,0.48, height 0.55
RESC1608X55X30ML15T15 [mm] "Chip Resistor, 2-Leads, Body 1.60x0.80mm, IPC Low Density"
  rect 0.9x1.05 smd: 1(-0.725,0) 2(0.725,0)
  body extent -0.87,-0.48 0.87,0.48, height 0.55
RESC1609X50X30ML10T20 [mm] "Chip Resistor, 2-Leads, Body 1.55x0.85mm, IPC Low Density"
  rect 0.9x1.05 smd: 1(-0.675,0) 2(0.675,0)
  body extent -0.82,-0.48 0.82,0.48, height 0.5
RESC1609X55X30LL15T15 [mm] "Chip Resistor, 2-Leads, Body 1.75x0.95mm, IPC High Density"
  rect 0.75x0.85 smd: 1(-0.65,0) 2(0.65,0)
  body extent -0.87,-0.48 0.87,0.48, height 0.55
RESC1609X55X30ML15T15 [mm] "Chip Resistor, 2-Leads, Body 1.75x0.95mm, IPC Low Density"
  rect 1.15x1.05 smd: 1(-0.85,0) 2(0.85,0)
  body extent -0.87,-0.48 0.87,0.48, height 0.55
SAMTEC_HLE-103-02-L-DV-BE-TR [mm]
  rect 1.27x1.68 smd: 01(2.54,-2.72) 02(2.54,2.72) 03(0,-2.72) 04(0,2.72) 05(-2.54,-2.72) 06(-2.54,2.72)
  silkscreen extent -3.81,-4.42 3.81,2.54
SISH615ADN-T1-GE3-Footprint-1 [mm]
  rect 0.35x0.5 smd paste+0 mask+0: 1(-0.937,-1.4) 2(-0.288,-1.4) 3(0.363,-1.4) 4(1.012,-1.4)
  round 0.025 smd: 5-6-7-8(0.038,0.51)
  Top Layer region: -1.187,-0.63 -1.187,-0.215 -1.568,-0.215 -1.568,0.215 -1.187,0.215 -1.187,1.35 -1.137,1.35 -1.137,1.65 -0.737,1.65 -0.737,1.35 -0.487,1.35 -0.487,1.65 -0.088,1.65 -0.088,1.35 0.163,1.35 0.163,1.65 0.563,1.65 0.563,1.35 0.813,1.35 0.813,1.65 1.212,1.65 1.212,1.35 1.262,1.35 1.262,0.215 1.643,0.215 1.643,-0.215 1.262,-0.215 1.262,-0.63
  silkscreen extent -1.51,-2.37 1.59,-1.01, body extent -1.67,-1.75 1.74,1.75, height 0.25